# Altium PCB base-32-bit.PcbDoc (part 3 of 3)
Units mm, origin at the board's own origin, x right, y up, seen from the top; angles counter-clockwise.
Board outline 35.56 x 44.45 mm, 4 copper layers (Top Layer, GND, PWR, Bottom Layer), stack 0.603 mm thick; 71 components, 133 nets, 539 pads, 361 vias.
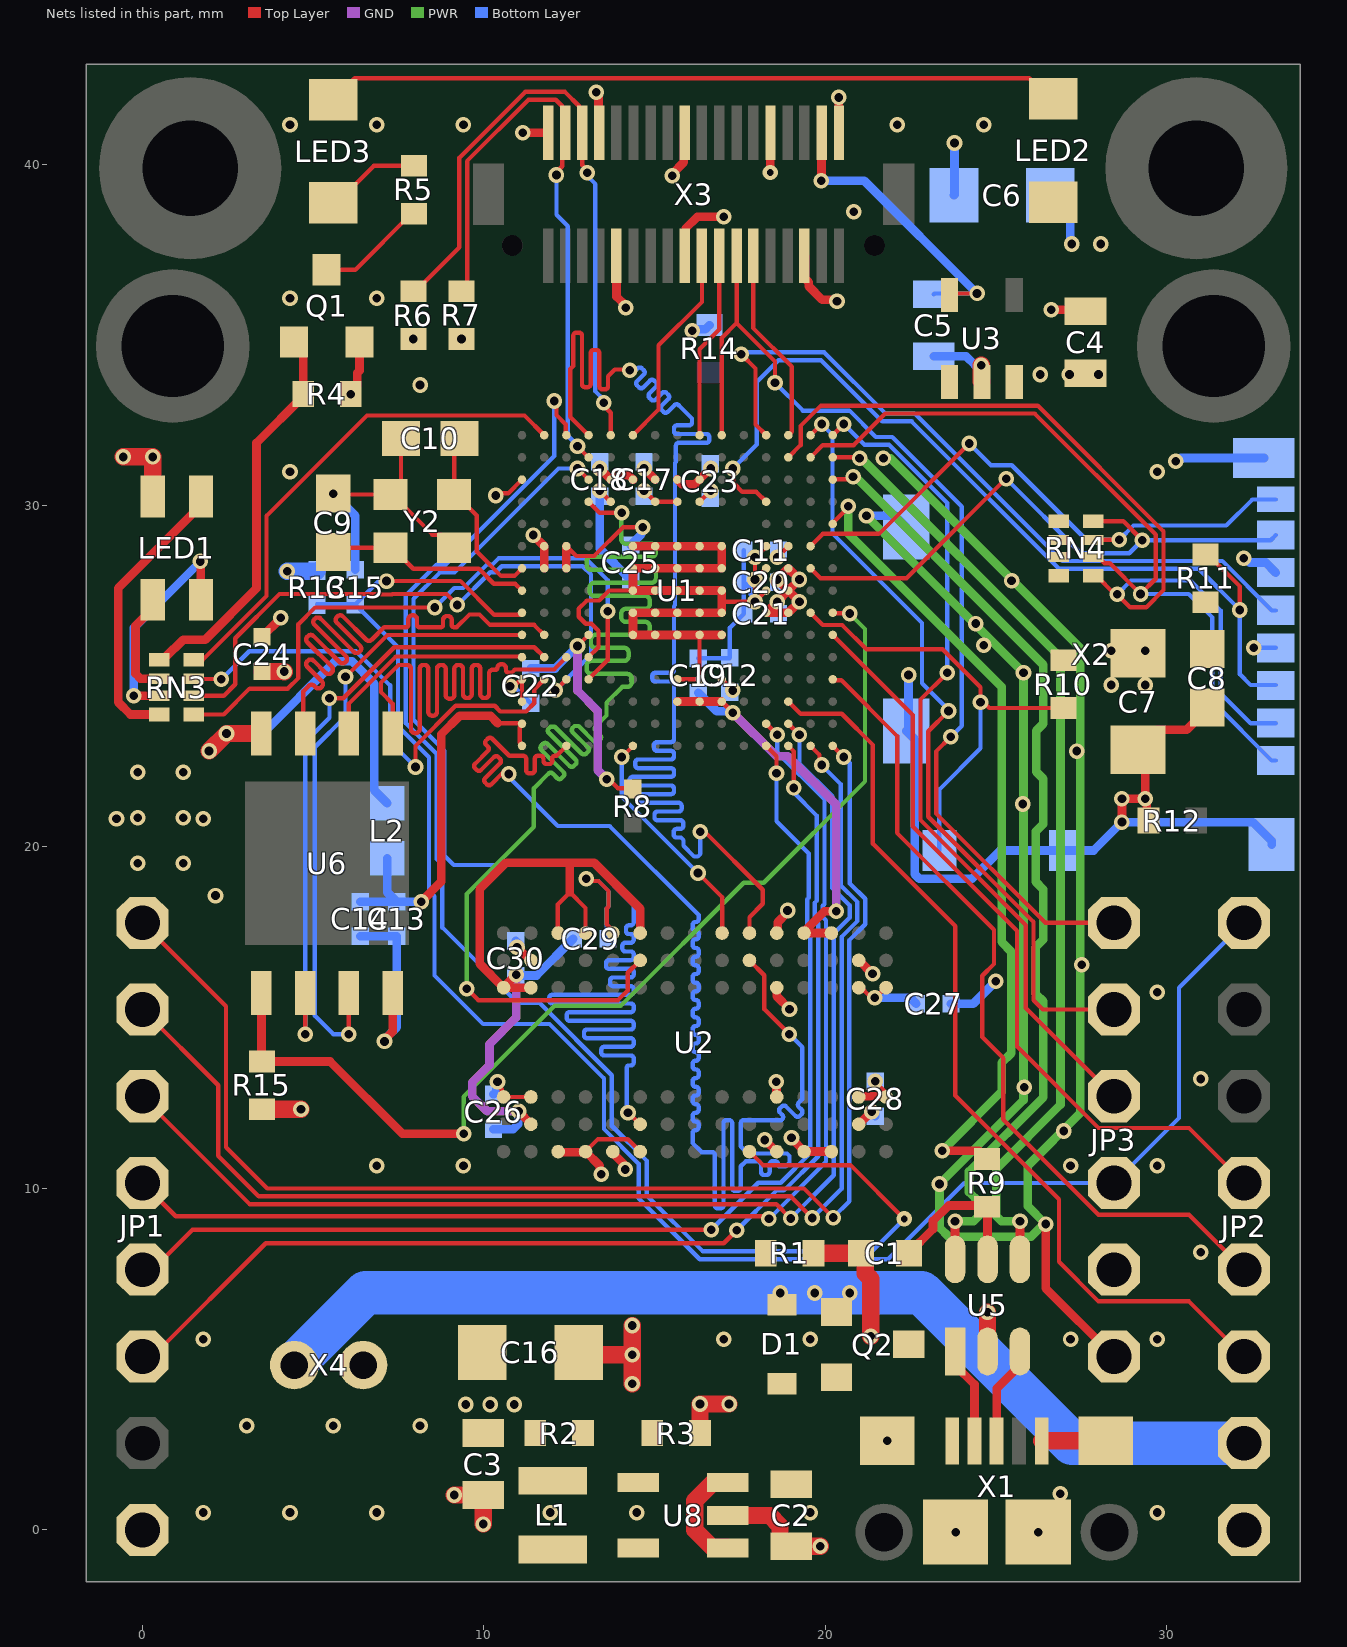
[diagram p5: the nets of this part, all layers, seen from the top]

## Via types
v1: diameter 0.457, hole 0.254, Top Layer to Bottom Layer, tented both sides, 295 vias
v2: diameter 0.457, hole 0.254, Top Layer to Bottom Layer, 36 vias
v3: diameter 0.457/0.457/0.457/0.457 (per signal layer), hole 0.254, Top Layer to Bottom Layer, tented both sides, 16 vias
v4: diameter 0.45, hole 0.203, Top Layer to Bottom Layer, tented both sides, 14 vias

## Nets (pads, with @x,y where several pads share a name; then routed paths per layer and width w, separated by ;. In a path a pad name is that pad's centre, name@x,y a point inside that pad or via, vN(x,y) a via of type N, cw(c..) or ccw(c..) an arc to the next point about the centre after c; other vN are vias at no path point) (continued)
DRAM_DQM0: U1.A4 U2.K9 | length 44.6
  Top Layer w0.127: U1.A4@13.063,32.06 12.528,32.595 12.528,33.998 12.617,34.087 12.617,34.973 cw(c12.706,34.973) 12.706,35.062 12.782,35.062 cw(c12.782,34.973) 12.871,34.973 12.871,33.557 ccw(c12.96,33.557) 12.96,33.468 13.036,33.468 ccw(c13.036,33.557) 13.125,33.557 13.125,34.465 cw(c13.214,34.465) 13.214,34.554 13.29,34.554 cw(c13.29,34.465) 13.379,34.465 13.379,33.493 ccw(c13.468,33.493) 13.468,33.405 13.544,33.405 ccw(c13.544,33.493) 13.633,33.493 13.633,33.788 13.83,33.985 14.246,33.985 v1(14.268,33.963) ; v1(16.338,20.451) 16.461,20.451 18.167,18.745 18.167,18.336 17.774,17.943 U2.K9@17.774,17.48
  Bottom Layer w0.127: v1(14.268,33.963) 14.295,33.936 ccw(c14.358,33.999) 14.421,33.936 14.499,34.015 cw(c14.562,33.952) 14.625,34.015 14.679,33.961 cw(c14.616,33.899) 14.679,33.836 14.483,33.64 ccw(c14.546,33.577) 14.483,33.514 14.537,33.46 ccw(c14.6,33.523) 14.663,33.46 14.859,33.656 cw(c14.922,33.593) 14.984,33.656 15.038,33.602 cw(c14.975,33.539) 15.038,33.476 14.843,33.281 ccw(c14.905,33.218) 14.843,33.155 14.897,33.101 ccw(c14.959,33.164) 15.022,33.101 15.218,33.297 cw(c15.281,33.234) 15.344,33.297 15.397,33.243 cw(c15.335,33.18) 15.397,33.117 15.202,32.922 ccw(c15.265,32.859) 15.202,32.796 15.256,32.742 ccw(c15.319,32.805) 15.381,32.742 15.577,32.938 cw(c15.64,32.875) 15.703,32.938 15.757,32.884 16.092,32.548 16.092,32.435 cw(c16.003,32.435) 16.003,32.346 15.652,32.346 ccw(c15.652,32.257) 15.563,32.257 15.563,32.181 ccw(c15.652,32.181) 15.652,32.092 16.511,32.092 cw(c16.511,32.003) 16.6,32.003 16.6,31.927 cw(c16.511,31.927) 16.511,31.838 15.709,31.838 ccw(c15.709,31.749) 15.62,31.749 15.62,31.274 15.594,31.248 15.594,27.084 15.563,27.053 15.563,25.191 cw(c15.474,25.191) 15.474,25.102 15.018,25.102 ccw(c15.018,25.013) 14.929,25.013 14.929,24.937 ccw(c15.018,24.937) 15.018,24.848 15.474,24.848 cw(c15.474,24.759) 15.563,24.759 15.563,23.159 cw(c15.474,23.159) 15.474,23.07 15.067,23.07 ccw(c15.067,22.981) 14.978,22.981 14.978,22.905 ccw(c15.067,22.905) 15.067,22.816 15.474,22.816 cw(c15.474,22.727) 15.563,22.727 15.563,22.651 cw(c15.474,22.651) 15.474,22.562 14.521,22.562 ccw(c14.521,22.473) 14.432,22.473 14.432,22.397 ccw(c14.521,22.397) 14.521,22.308 15.474,22.308 cw(c15.474,22.219) 15.563,22.219 15.563,22.143 cw(c15.474,22.143) 15.474,22.054 14.356,22.054 ccw(c14.356,21.965) 14.267,21.965 14.267,21.889 ccw(c14.356,21.889) 14.356,21.8 15.474,21.8 cw(c15.474,21.711) 15.563,21.711 15.563,21.635 cw(c15.474,21.635) 15.474,21.546 14.574,21.546 ccw(c14.574,21.457) 14.485,21.457 14.485,21.381 ccw(c14.574,21.381) 14.574,21.292 15.698,21.292 cw(c15.698,21.203) 15.787,21.203 15.787,21.127 cw(c15.698,21.127) 15.698,21.038 15.082,21.038 ccw(c15.082,20.949) 14.993,20.949 14.993,20.873 ccw(c15.082,20.873) 15.082,20.784 15.748,20.784 cw(c15.748,20.695) 15.837,20.695 15.837,20.619 cw(c15.748,20.619) 15.748,20.53 15.646,20.53 ccw(c15.646,20.441) 15.557,20.441 15.557,20.365 ccw(c15.646,20.365) 15.646,20.276 15.769,20.276 15.844,20.202 15.844,20.034 16.154,19.723 16.264,19.723 16.338,19.797 v1(16.338,20.451)
DRAM_DQM1: U1.A3 U2.K1 | length 43.6
  Top Layer w0.127: v1(12.058,33.062) 12.121,32.998 12.121,32.647 12.393,32.375 12.393,32.08 U1.A3@12.413,32.06 ; U2.K1@17.774,11.08 18.17,10.684 20.732,10.684 v4(22.307,9.109)
  Bottom Layer w0.127: v1(12.058,33.062) 12.058,31.451 8.878,28.27 8.614,28.27 7.709,27.365 7.709,23.629 8.616,22.721 8.616,19.648 8.781,19.483 8.781,17.639 10.983,15.437 11.622,15.437 13.741,13.318 13.741,11.837 14.763,10.815 14.763,9.804 16.41,8.157 21.354,8.157 v4(22.307,9.109)
DRAM_DQM2: U1.D4 U2.F8 | length 44.3
  Top Layer w0.127: v1(9.493,15.853) 9.831,15.515 13.925,15.515 14.209,15.799 14.209,16.315 U2.F8@14.574,16.68 ; U1.D4@13.063,30.11 13.388,29.785 v1(14.038,29.785)
  PWR w0.127: v1(9.493,15.853) 9.493,18.625 11.461,20.594 11.461,21.723 11.887,22.149 cw(c11.95,22.086) 12.013,22.149 12.147,22.015 ccw(c12.209,22.078) 12.272,22.015 12.326,22.069 ccw(c12.263,22.131) 12.326,22.194 11.678,22.842 cw(c11.741,22.905) 11.678,22.968 11.732,23.022 cw(c11.795,22.959) 11.858,23.022 12.506,22.374 ccw(c12.569,22.437) 12.632,22.374 12.685,22.428 ccw(c12.623,22.491) 12.685,22.554 11.895,23.344 cw(c11.958,23.407) 11.895,23.47 11.949,23.524 12.074,23.524 12.865,22.733 ccw(c12.928,22.796) 12.991,22.733 13.045,22.787 ccw(c12.982,22.85) 13.045,22.913 12.596,23.362 cw(c12.659,23.424) 12.596,23.487 12.65,23.541 12.775,23.541 13.224,23.092 ccw(c13.287,23.155) 13.35,23.092 13.404,23.146 ccw(c13.341,23.209) 13.404,23.272 13.27,23.406 cw(c13.333,23.469) 13.27,23.532 13.589,23.851 13.589,24.229 14.049,24.689 14.192,24.689 ccw(c14.192,24.822) 14.325,24.822 14.325,24.936 ccw(c14.192,24.936) 14.192,25.07 13.138,25.07 cw(c13.138,25.203) 13.005,25.203 13.005,25.317 cw(c13.138,25.317) 13.138,25.451 14.102,25.451 ccw(c14.102,25.584) 14.235,25.584 14.235,25.698 ccw(c14.102,25.698) 14.102,25.832 13.265,25.832 cw(c13.265,25.965) 13.132,25.965 13.132,26.079 cw(c13.265,26.079) 13.265,26.213 14.72,26.213 ccw(c14.72,26.346) 14.853,26.346 14.853,26.46 ccw(c14.72,26.46) 14.72,26.594 14.154,26.594 cw(c14.154,26.727) 14.021,26.727 14.021,26.841 cw(c14.154,26.841) 14.154,26.975 14.72,26.975 ccw(c14.72,27.108) 14.853,27.108 14.853,27.222 ccw(c14.72,27.222) 14.72,27.356 13.228,27.356 cw(c13.228,27.489) 13.094,27.489 13.094,27.603 cw(c13.228,27.603) 13.228,27.737 14.903,27.737 ccw(c14.903,27.87) 15.037,27.87 15.037,27.984 ccw(c14.903,27.984) 14.903,28.118 13.138,28.118 cw(c13.138,28.251) 13.005,28.251 13.005,28.365 cw(c13.138,28.365) 13.138,28.499 14.903,28.499 ccw(c14.903,28.632) 15.037,28.632 15.037,28.746 ccw(c14.903,28.746) 14.903,28.88 14.154,28.88 cw(c14.154,29.013) 14.021,29.013 14.021,29.701 14.072,29.751 v1(14.038,29.785)
DRAM_DQM3: U1.C4 U2.F2 | length 44.1
  Top Layer w0.127: v1(12.738,31.085) U1.C4@13.063,30.76 ; v1(14.217,12.221) 14.225,12.221 14.566,11.88 U2.F2@14.574,11.88
  Bottom Layer w0.127: v1(12.738,31.085) 12.181,31.085 9.138,28.042 8.708,28.042 7.938,27.271 7.938,23.723 8.845,22.816 8.845,19.743 9.115,19.473 13.205,19.473 14.382,18.295 14.382,17.793 cw(c14.293,17.793) 14.293,17.704 14.248,17.704 ccw(c14.248,17.615) 14.16,17.615 14.16,17.539 ccw(c14.248,17.539) 14.248,17.45 14.293,17.45 cw(c14.293,17.361) 14.382,17.361 14.382,17.285 cw(c14.293,17.285) 14.293,17.196 14.141,17.196 ccw(c14.141,17.107) 14.052,17.107 14.052,17.031 ccw(c14.141,17.031) 14.141,16.942 14.293,16.942 cw(c14.293,16.853) 14.382,16.853 14.382,16.777 cw(c14.293,16.777) 14.293,16.688 13.664,16.688 ccw(c13.664,16.599) 13.575,16.599 13.575,16.523 ccw(c13.664,16.523) 13.664,16.434 14.293,16.434 cw(c14.293,16.345) 14.382,16.345 14.382,16.269 cw(c14.293,16.269) 14.293,16.18 13.782,16.18 ccw(c13.782,16.091) 13.693,16.091 13.693,16.015 ccw(c13.782,16.015) 13.782,15.926 14.293,15.926 cw(c14.293,15.837) 14.382,15.837 14.382,15.761 cw(c14.293,15.761) 14.293,15.672 12.001,15.672 ccw(c12.001,15.583) 11.912,15.583 11.912,15.507 ccw(c12.001,15.507) 12.001,15.418 14.293,15.418 cw(c14.293,15.329) 14.382,15.329 14.382,15.253 cw(c14.293,15.253) 14.293,15.164 12.509,15.164 ccw(c12.509,15.075) 12.42,15.075 12.42,14.999 ccw(c12.509,14.999) 12.509,14.91 14.293,14.91 cw(c14.293,14.821) 14.382,14.821 14.382,14.745 cw(c14.293,14.745) 14.293,14.656 13.017,14.656 ccw(c13.017,14.567) 12.928,14.567 12.928,14.491 ccw(c13.017,14.491) 13.017,14.402 14.293,14.402 cw(c14.293,14.313) 14.382,14.313 14.382,14.237 cw(c14.293,14.237) 14.293,14.148 13.525,14.148 ccw(c13.525,14.059) 13.436,14.059 13.436,13.983 ccw(c13.525,13.983) 13.525,13.894 14.293,13.894 cw(c14.293,13.805) 14.382,13.805 14.382,13.691 cw(c14.293,13.691) 14.293,13.602 14.249,13.602 ccw(c14.249,13.536) 14.184,13.536 14.184,12.254 v1(14.217,12.221)
DRAM_RAS: U1.R6 U2.J9 | length 6.8
  Top Layer w0.127: v1(14.038,22.635) U1.R6@14.363,22.96 ; v1(16.269,19.237) 16.974,18.532 U2.J9@16.974,17.48
  Bottom Layer w0.127: v1(14.038,22.635) 14.038,21.468 v1(16.269,19.237)
DRAM_WE: U1.R3 U2.K8 | length 44.9
  Top Layer w0.127: v1(10.724,22.136) 10.693,22.136 10.666,22.163 ccw(c10.604,22.1) 10.541,22.163 10.211,21.834 cw(c10.149,21.897) 10.086,21.834 10.032,21.888 cw(c10.095,21.951) 10.032,22.013 10.473,22.454 ccw(c10.41,22.517) 10.473,22.58 10.419,22.634 ccw(c10.356,22.571) 10.293,22.634 9.914,22.255 cw(c9.851,22.318) 9.789,22.255 9.735,22.309 cw(c9.797,22.372) 9.735,22.435 10.113,22.813 ccw(c10.05,22.876) 10.113,22.939 10.059,22.993 cw(c10.122,23.056) 10.059,23.119 10.113,23.172 cw(c10.176,23.11) 10.239,23.172 10.742,22.67 11.145,22.67 cw(c11.145,22.581) 11.234,22.581 11.234,22.247 ccw(c11.323,22.247) 11.323,22.158 11.399,22.158 ccw(c11.399,22.247) 11.488,22.247 11.488,22.581 cw(c11.577,22.581) 11.577,22.67 11.653,22.67 cw(c11.653,22.581) 11.742,22.581 11.742,22.521 ccw(c11.831,22.521) 11.831,22.432 11.907,22.432 ccw(c11.907,22.521) 11.996,22.521 11.996,22.581 cw(c12.085,22.581) 12.085,22.67 12.123,22.67 U1.R3@12.413,22.96 ; U2.K8@17.774,16.68 18.209,16.245 18.209,15.252 v1(18.941,14.52)
  Bottom Layer w0.127: v1(10.724,22.136) 10.724,22.054 12.162,20.616 13.678,20.616 16.288,18.006 16.288,17.892 cw(c16.199,17.892) 16.199,17.804 ccw(c16.198,17.715) 16.109,17.715 16.109,17.638 ccw(c16.198,17.638) 16.198,17.55 cw(c16.199,17.461) 16.288,17.461 16.288,17.384 cw(c16.199,17.384) 16.199,17.296 ccw(c16.198,17.207) 16.109,17.207 16.109,17.13 ccw(c16.198,17.13) 16.198,17.042 cw(c16.199,16.953) 16.288,16.953 16.288,16.876 cw(c16.199,16.876) 16.199,16.788 ccw(c16.198,16.699) 16.109,16.699 16.109,16.622 ccw(c16.198,16.622) 16.198,16.534 cw(c16.199,16.445) 16.288,16.445 16.288,16.368 cw(c16.199,16.368) 16.199,16.28 ccw(c16.198,16.191) 16.109,16.191 16.109,16.114 ccw(c16.198,16.114) 16.198,16.026 cw(c16.199,15.937) 16.288,15.937 16.288,15.86 cw(c16.199,15.86) 16.199,15.772 ccw(c16.198,15.683) 16.109,15.683 16.109,15.606 ccw(c16.198,15.606) 16.198,15.518 cw(c16.199,15.429) 16.288,15.429 16.288,15.352 cw(c16.199,15.352) 16.199,15.264 ccw(c16.198,15.175) 16.109,15.175 16.109,15.098 ccw(c16.198,15.098) 16.198,15.01 cw(c16.199,14.921) 16.288,14.921 16.288,14.844 cw(c16.199,14.844) 16.199,14.756 ccw(c16.198,14.667) 16.109,14.667 16.109,14.59 ccw(c16.198,14.59) 16.198,14.502 cw(c16.199,14.413) 16.288,14.413 16.288,14.336 cw(c16.199,14.336) 16.199,14.248 ccw(c16.198,14.159) 16.109,14.159 16.109,14.082 ccw(c16.198,14.082) 16.198,13.994 cw(c16.199,13.905) 16.288,13.905 16.288,13.828 cw(c16.199,13.828) 16.199,13.74 ccw(c16.198,13.651) 16.109,13.651 16.109,13.574 ccw(c16.198,13.574) 16.198,13.486 cw(c16.199,13.397) 16.288,13.397 16.288,13.32 cw(c16.199,13.32) 16.199,13.232 ccw(c16.198,13.143) 16.109,13.143 16.109,13.066 ccw(c16.198,13.066) 16.198,12.978 cw(c16.199,12.889) 16.288,12.889 16.288,12.812 cw(c16.199,12.812) 16.199,12.724 ccw(c16.198,12.635) 16.109,12.635 16.109,12.558 ccw(c16.198,12.558) 16.198,12.47 cw(c16.199,12.381) 16.288,12.381 16.288,12.304 cw(c16.199,12.304) 16.199,12.216 ccw(c16.198,12.127) 16.109,12.127 16.109,12.048 ccw(c16.196,12.048) 16.196,11.962 cw(c16.196,11.873) 16.285,11.873 16.285,11.796 cw(c16.196,11.796) 16.196,11.708 ccw(c16.196,11.621) 16.109,11.621 16.109,11.334 16.378,11.065 16.67,11.065 cw(c16.67,10.976) 16.759,10.976 16.759,9.509 ccw(c16.848,9.509) 16.848,9.42 16.924,9.42 ccw(c16.924,9.509) 17.013,9.509 17.013,11.913 cw(c17.102,11.913) 17.102,12.001 17.178,12.001 cw(c17.178,11.913) 17.267,11.913 17.267,10.017 ccw(c17.356,10.017) 17.356,9.928 17.432,9.928 ccw(c17.432,10.017) 17.521,10.017 17.521,10.65 17.669,10.798 18.009,10.798 cw(c18.009,10.697) 18.11,10.697 18.11,10.497 ccw(c18.212,10.497) 18.212,10.395 18.263,10.395 ccw(c18.263,10.497) 18.364,10.497 18.364,10.697 cw(c18.466,10.697) 18.466,10.798 18.517,10.798 cw(c18.517,10.697) 18.618,10.697 ccw(c18.672,10.697) 18.672,10.643 18.841,10.643 18.948,10.75 18.948,10.949 18.874,11.024 17.729,11.024 17.521,11.232 17.521,11.913 cw(c17.61,11.913) 17.61,12.001 18.707,12.001 18.734,12.028 ccw(c18.671,12.091) 18.734,12.154 18.666,12.222 cw(c18.729,12.285) 18.666,12.348 18.72,12.402 cw(c18.783,12.339) 18.846,12.402 19.124,12.124 ccw(c19.187,12.187) 19.249,12.124 19.303,12.178 ccw(c19.24,12.24) 19.303,12.303 19.219,12.388 cw(c19.282,12.451) 19.219,12.513 19.322,12.617 19.322,14.139 v1(18.941,14.52)
FLASH_CLK: U1.L1 U6.6 | length 6.5
  Top Layer w0.127: U6.6@6.044,23.325 6.044,24.201 7.421,25.578 11.095,25.578 U1.L1@11.113,25.56
FLASH_CS: R15.1 U1.J15 U6.1 | length 31.1
  Top Layer w0.127: U1.J15@20.213,26.86 20.224,26.849 20.696,26.849 v1(20.707,26.839)
  Top Layer w0.254: U6.1@3.484,15.725 3.484,13.734 R15.1@3.498,13.72 5.49,13.72 7.611,11.599 v1(9.404,11.599)
  PWR w0.127: v1(9.404,11.599) 9.404,12.689 12.069,15.354 14.009,15.354 17.61,18.956 18.194,18.956 21.16,21.922 21.16,26.385 v1(20.707,26.839)
FLASH_IO0: U1.L3 U6.5 | length 19.4
  Top Layer w0.127: U6.5@7.324,23.325 7.324,24.197 6.985,24.536 6.985,24.819 7.497,25.331 7.747,25.331 cw(c7.747,25.217) 7.861,25.217 7.861,23.45 ccw(c7.976,23.45) 7.976,23.336 8.001,23.336 ccw(c8.001,23.45) 8.115,23.45 8.115,25.217 cw(c8.23,25.217) 8.23,25.331 8.255,25.331 cw(c8.255,25.217) 8.369,25.217 8.369,23.958 ccw(c8.484,23.958) 8.484,23.844 8.509,23.844 ccw(c8.509,23.958) 8.623,23.958 8.623,25.217 cw(c8.738,25.217) 8.738,25.331 8.763,25.331 cw(c8.763,25.217) 8.877,25.217 8.877,24.457 ccw(c8.992,24.457) 8.992,24.342 9.017,24.342 ccw(c9.017,24.457) 9.131,24.457 9.131,25.217 cw(c9.246,25.217) 9.246,25.331 9.271,25.331 cw(c9.271,25.217) 9.385,25.217 9.385,24.476 ccw(c9.5,24.476) 9.5,24.362 9.525,24.362 ccw(c9.525,24.476) 9.639,24.476 9.639,25.217 cw(c9.754,25.217) 9.754,25.331 9.779,25.331 cw(c9.779,25.217) 9.893,25.217 9.893,24.476 ccw(c10.008,24.476) 10.008,24.362 10.033,24.362 ccw(c10.033,24.476) 10.147,24.476 10.147,25.077 cw(c10.262,25.077) 10.262,25.192 10.345,25.192 ccw(c10.345,25.235) 10.389,25.235 cw(c10.503,25.235) 10.503,25.349 10.528,25.349 cw(c10.528,25.235) 10.643,25.235 10.643,25.192 ccw(c10.735,25.192) 10.735,25.099 10.804,25.099 10.905,25.2 12.053,25.2 U1.L3@12.413,25.56
FLASH_IO1: U1.L2 U6.2 | length 18.4
  Top Layer w0.127: v1(4.764,14.515) U6.2@4.764,15.725 ; v1(5.474,24.359) 5.878,24.359 7.369,25.85 11.473,25.85 U1.L2@11.763,25.56
  Bottom Layer w0.127: v1(4.764,14.515) 4.764,23.077 5.474,23.787 v1(5.474,24.359)
FLASH_IO2: U1.K1 U6.3 | length 18.4
  Top Layer w0.127: v1(5.944,24.981) 7.173,26.21 U1.K1@11.113,26.21 ; v1(6.044,14.515) U6.3@6.044,15.725
  Bottom Layer w0.127: v1(5.944,24.981) 5.944,23.825 5.042,22.923 5.042,15.062 5.589,14.515 v1(6.044,14.515)
FLASH_IO3: U1.K2 U6.7 | length 19.4
  Top Layer w0.127: U6.7@4.764,23.325 4.712,23.377 4.712,24.562 4.868,24.718 cw(c4.949,24.637) 5.029,24.718 5.072,24.675 ccw(c5.153,24.756) 5.234,24.675 5.252,24.693 ccw(c5.171,24.774) 5.252,24.855 4.827,25.279 cw(c4.908,25.36) 4.827,25.441 4.845,25.459 cw(c4.926,25.378) 5.007,25.459 5.366,25.099 ccw(c5.447,25.18) 5.528,25.099 5.546,25.117 ccw(c5.465,25.198) 5.546,25.279 4.827,25.998 cw(c4.908,26.078) 4.827,26.159 4.845,26.177 cw(c4.926,26.096) 5.007,26.177 5.776,25.408 ccw(c5.857,25.489) 5.938,25.408 5.956,25.426 ccw(c5.875,25.507) 5.956,25.588 5.035,26.508 cw(c5.116,26.589) 5.035,26.67 5.053,26.688 cw(c5.134,26.607) 5.215,26.688 6.19,25.712 ccw(c6.271,25.793) 6.352,25.712 6.37,25.73 ccw(c6.289,25.811) 6.37,25.892 5.69,26.571 cw(c5.771,26.652) 5.69,26.733 5.708,26.751 cw(c5.789,26.67) 5.87,26.751 6.549,26.072 ccw(c6.63,26.152) 6.711,26.072 7.078,26.438 7.719,26.438 ccw(c7.719,26.505) 7.785,26.505 7.785,26.67 cw(c7.899,26.67) 7.899,26.784 7.925,26.784 cw(c7.925,26.67) 8.039,26.67 8.039,26.505 ccw(c8.105,26.505) 8.105,26.438 8.735,26.438 ccw(c8.735,26.505) 8.801,26.505 8.801,26.65 cw(c8.915,26.65) 8.915,26.764 8.941,26.764 cw(c8.941,26.65) 9.055,26.65 9.055,26.505 ccw(c9.121,26.505) 9.121,26.438 9.205,26.438 9.576,26.81 9.871,26.81 10.176,26.505 11.468,26.505 U1.K2@11.763,26.21
FS_DM: U1.C15 U5.6 | length 28
  Top Layer w0.127: U1.C15@20.213,30.76 20.227,30.774 20.64,30.774 20.643,30.776 20.745,30.776 v1(20.808,30.839)
  Top Layer w0.254: U5.6@23.796,7.925 v1(23.796,9.044)
  PWR w0.254: v1(20.808,30.839) 20.863,30.839 20.965,30.738 20.98,30.738 26.378,25.34 26.378,23.609 26.175,23.406 26.175,22.2 26.378,21.996 26.378,20.676 26.155,20.453 26.155,18.981 26.378,18.758 26.378,17.292 26.162,17.076 26.162,15.697 26.378,15.481 26.378,12.667 24.206,10.495 24.206,9.893 24.492,9.607 24.492,9.193 24.343,9.044 v1(23.796,9.044)
FS_DP: U1.B15 U5.4 | length 28.1
  Top Layer w0.127: U1.B15@20.213,31.41 20.974,31.41 v1(20.999,31.385)
  Top Layer w0.254: U5.4@25.696,7.925 v1(25.696,9.044)
  PWR w0.254: v1(20.999,31.385) 21.051,31.385 26.886,25.55 26.886,12.456 25,10.571 25,9.193 25.149,9.044 v1(25.696,9.044)
GND: C1.1 C2.1 C3.1 C4.1 C5.1 C6.C C7.C C8.2 C9.1 C10.1 C11.2 C12.2 C13.2 C14.2 C15.2 C16.C C17.2 C18.2 C19.2 C20.2 C21.2 C22.2 C23.2 C24.2 C25.2 C26.2 C27.2 C28.2 C29.2 C30.2 JP2.8 JP3.6 Q1.2 R1.1 R3.1 R4.1 R12.1 U1.D5 U1.D7 U1.D8 U1.D9 U1.F2 U1.F6 U1.F7 U1.F8 U1.F9 U1.F10 U1.F12 U1.G2 U1.G6 U1.G7 U1.G8 U1.G9 U1.G10 U1.G12 U1.H6 U1.H7 U1.H8 U1.H9 U1.H10 U1.H12 U1.J6 U1.J7 U1.J8 U1.J9 U1.J10 U1.K6 U1.K7 U1.K8 U1.K9 U1.K10 U1.L4 U1.M1 U1.M8 U1.M9 U1.N1 U2.A3 U2.B3 U2.B8 U2.C1 U2.D1 U2.E9 U2.F1 U2.L3 U2.L9 U2.M1 U2.N1 U2.P3 U2.P8 U2.R3 U3.2 U5.2 U6.4 U8.2 X1.5 X1.S X2.CD$2 X2.G$1 X2.G$2 X2.G$3 X2.G$4 X2.P$6 X3.5 X3.19 X3.27 X4.2 Y2.2 Y2.4 | length 185.2
  Top Layer w0.127: v1(5.585,30.349) 5.612,30.322 Y2.4@7.265,30.322 ; C10.1@7.569,31.966 7.569,30.627 Y2.4@7.265,30.322 ; Y2.2@9.125,28.762 8.738,29.149 8.488,29.149 7.315,30.322 Y2.4@7.265,30.322 ; v1(10.394,13.123) 10.394,13.033 10.522,12.906 10.522,12.732 U2.A3@10.574,12.68 U2.B3@11.374,12.68 ; v1(10.763,24.705) 10.826,24.768 10.938,24.768 11.08,24.91 U1.M1@11.113,24.91 U1.N1@11.113,24.26 ; U2.D1@12.974,11.08 13.339,11.445 14.209,11.445 U2.F1@14.574,11.08 ; v1(12.998,19.066) 13.061,19.003 13.351,19.003 13.646,18.709 13.646,18.251 13.595,18.201 13.595,17.733 13.774,17.554 U2.E9@13.774,17.48 ; U1.L4@13.063,25.56 13.353,25.85 13.353,26.33 13.148,26.535 12.978,26.535 12.773,26.74 12.773,26.98 13.013,27.22 13.375,27.22 13.666,27.51 U1.H6@14.363,27.51 ; v1(13.388,30.435) U1.D5@13.713,30.11 ; v1(14.688,30.435) U1.D7@15.013,30.11 U1.D8@15.663,30.11 ; U1.M8@15.663,24.91 U1.M9@16.313,24.91 U1.K9@16.313,26.21 ; U1.D9@16.313,30.11 v1(16.638,30.435) ; 16.963,27.185 v1(17.938,27.185) ; U1.G12@18.263,28.16 v1(17.938,27.835) ; U1.F12@18.263,28.81 v1(17.938,28.485) v1(17.938,27.835) ; U1.H12@18.263,27.51 v1(17.938,27.185) v1(17.938,27.835)
  Top Layer w0.254: C24.2@3.499,26.154 4.044,26.699 v1(4.044,26.712) ; v1(6.1,33.261) 6.1,33.324 6.291,33.515 6.291,33.883 6.354,33.947 Q1.2@6.354,34.785 ; v1(7.086,14.306) 7.086,14.361 7.324,14.598 U6.4@7.324,15.725 ; v1(10.966,17.06) 10.98,17.06 11.36,16.68 U2.B8@11.374,16.68 ; v1(11.438,29.135) U1.F2@11.763,28.81 U1.G2@11.763,28.16 ; U2.C1@12.174,11.08 12.196,11.058 12.952,11.058 U2.D1@12.974,11.08 13.391,10.663 13.391,10.456 v1(13.43,10.418) ; X3.27@13.879,37.316 13.879,36.122 14.154,35.847 v1(14.154,35.792) ; U1.F6@14.363,28.81 U1.F7@15.013,28.81 U1.F8@15.663,28.81 U1.F9@16.313,28.81 U1.F10@16.963,28.81 U1.G10@16.963,28.16 U1.G9@16.313,28.16 U1.G8@15.663,28.16 U1.G7@15.013,28.16 U1.G6@14.363,28.16 U1.H6@14.363,27.51 U1.H7@15.013,27.51 U1.H8@15.663,27.51 U1.H9@16.313,27.51 U1.H10@16.963,27.51 16.963,27.185 U1.J10@16.963,26.86 U1.J9@16.313,26.86 U1.J8@15.663,26.86 U1.J7@15.013,26.86 U1.J6@14.363,26.86 U1.K6@14.363,26.21 U1.K7@15.013,26.21 U1.K8@15.663,26.21 U1.K9@16.313,26.21 U1.K10@16.963,26.21 ; X3.19@15.879,37.316 15.904,37.341 15.904,38.113 16.25,38.459 v1(17.024,38.459) ; v1(18.56,13.123) 18.567,13.116 18.567,12.687 U2.L3@18.574,12.68 ; U2.L9@18.574,17.48 18.602,17.508 18.602,17.795 18.891,18.084 v1(18.891,18.139) ; v1(19.005,11.489) 19.005,11.469 19.374,11.1 U2.M1@19.374,11.08 U2.N1@20.174,11.08 ; X3.5@19.38,37.316 19.406,37.291 19.406,36.643 19.507,36.541 19.507,36.421 19.907,36.021 20.3,36.021 v1(20.338,35.983) ; U2.P3@20.974,12.68 20.998,12.704 21.75,12.704 U2.R3@21.774,12.68 21.774,12.719 21.495,12.998 21.495,13.096 v1(21.456,13.135) ; U2.P8@20.974,16.68 20.979,16.68 21.374,16.285 v1(21.38,16.285) ; v1(26.447,8.957) 26.447,7.081 JP3.6@28.448,5.08 ; v1(26.612,35.729) 27.576,35.729 C4.1@27.616,35.689 ; v1(28.682,20.73) v1(28.682,21.416) v1(29.368,21.416) ; R12.1@29.458,20.769 29.407,20.82 29.407,21.377 v1(29.368,21.416) ; C8.2@31.185,24.085 31.185,24.034 30.584,23.433 29.737,23.433 C7.C@29.153,22.849 29.368,22.634 v1(29.368,21.416)